# Altium PCB K210_Board.PcbDoc (part 1 of 2) (continued)
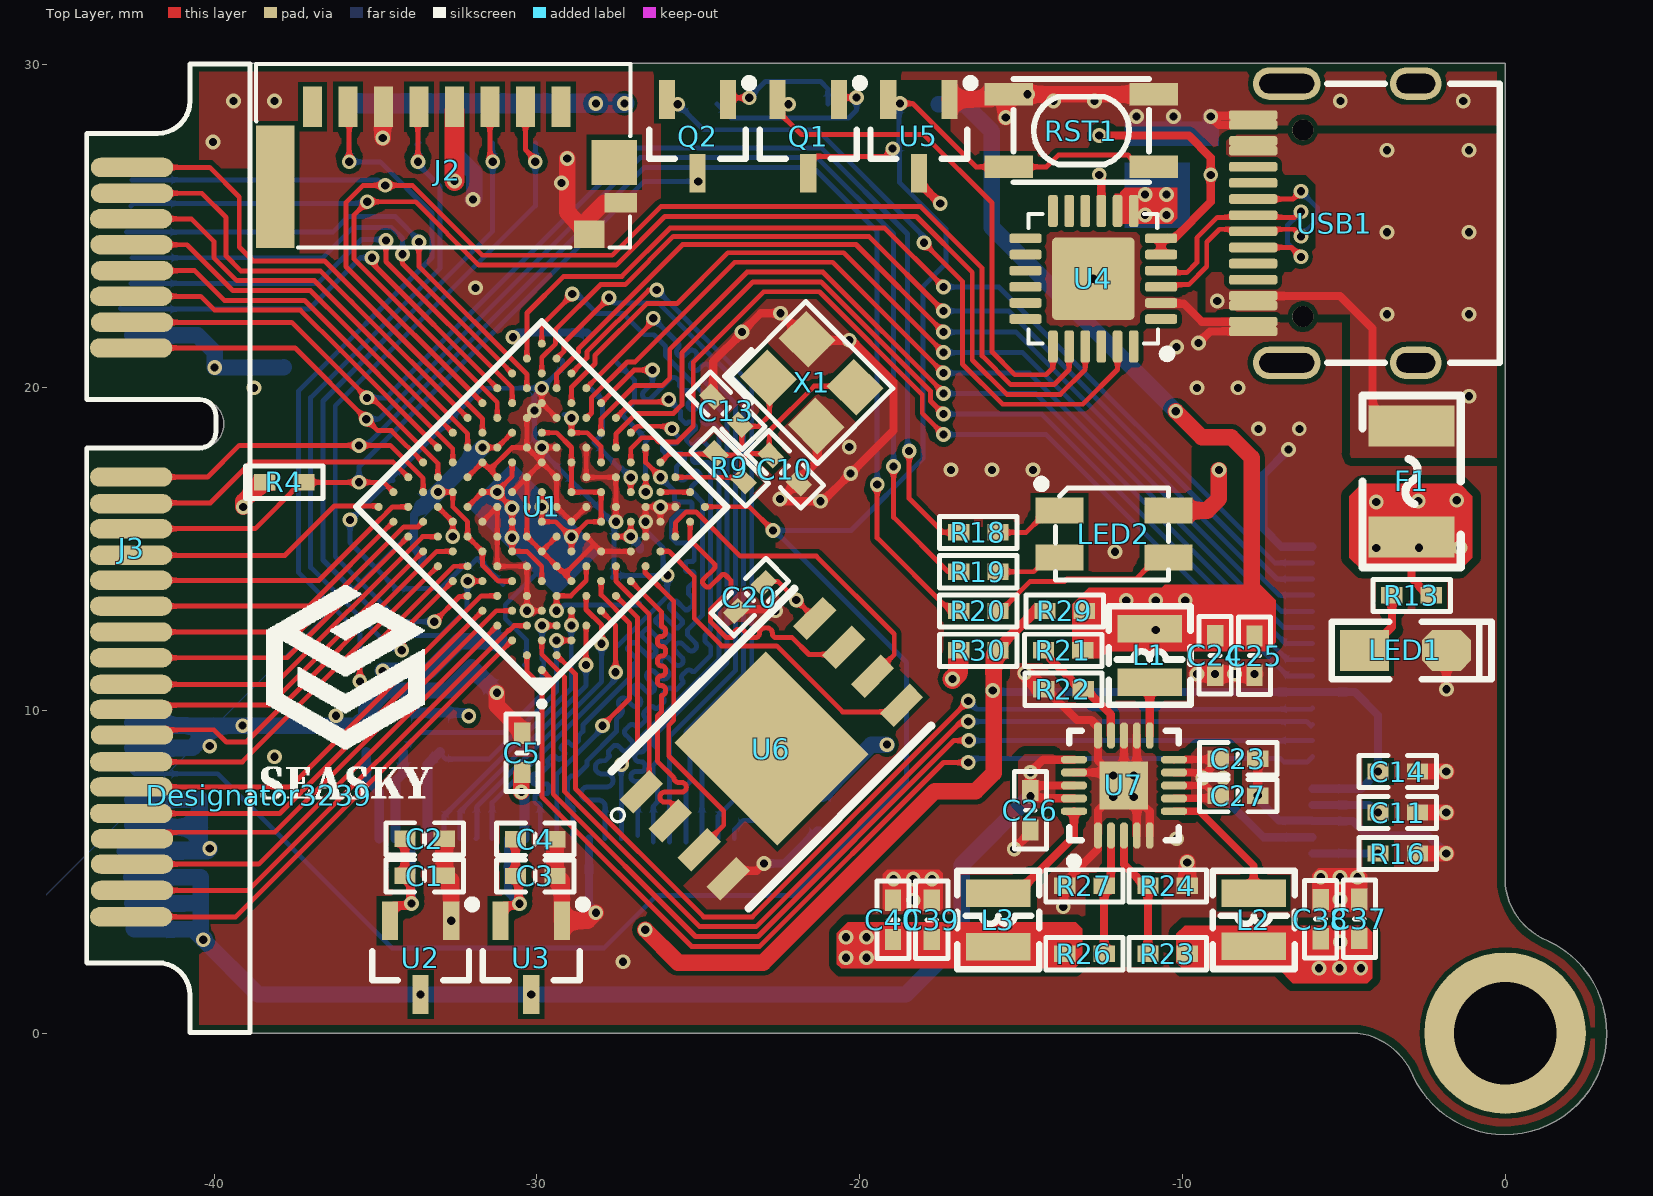
[diagram p0: Top Layer view]
## Footprints (in the part's own frame and the unit in brackets; to place one, negate y for a bottom-side part, rotate by r counter-clockwise, add the part's x,y. Pads: shape width x height; smd on the part's side, far side on the other; paste and mask are expansions set on the pad) (continued)
MINIPCIE [mm]
  oval 0.6x2.55 smd: 1(0,0) 3(0.8,0) 5(1.593,-0.029) 7(2.395,-0.021) 9(3.2,0) 11(3.993,-0.029) 13(4.8,0) 15(5.593,-0.029) 17(9.593,-0.029) 19(10.418,-0.029) 21(11.193,-0.029) 23(12.018,-0.029) 25(12.793,-0.029) 27(13.593,-0.029) 29(14.393,-0.029) 31(15.193,-0.029) 33(16.018,-0.029) 35(16.793,-0.029) 37(17.586,0) 39(18.418,-0.029) 41(19.193,-0.029) 43(20.018,-0.029) 45(20.8,0) 47(21.586,0) 49(22.4,0) 51(23.218,-0.029)
  oval 0.6x2.55 smd far side: 2(0.386,0) 4(1.193,-0.029) 6(1.993,-0.029) 8(2.8,0) 10(3.593,-0.029) 12(4.393,-0.029) 14(5.2,0) 16(5.993,-0.029) 18(10.015,0) 20(10.793,-0.029) 22(11.586,0) 24(12.386,0) 26(13.186,0) 28(13.993,-0.029) 30(14.793,-0.029) 32(15.603,0.013) 34(16.4,0) 36(17.2,0) 38(17.986,0) 40(18.786,0) 42(19.586,0) 44(20.386,0) 46(21.191,-0.038) 48(21.993,-0.029) 50(22.8,0) 52(23.586,0)
  silkscreen extent -3.21,-1.4 26.8,3.65
NR2520 [mm] "2.5mm*2.0mm*1.0mm(长*宽*高）"
  rect 0.85x2 smd: 1(-0.825,0) 2(0.825,0)
  silkscreen extent -1.52,-1.27 1.52,1.27, body extent -1.25,-1 1.25,1, height 1.1
"OSC 3225-4P" [mm] "3.2*2.5*0.7mm(长宽高)                         淘宝ID:黄晶宝石"
  rect 1.3x1.2 smd: 1(-1.05,-0.85) 2(1.05,-0.85) 3(1.05,0.85) 4(-1.05,0.85)
  silkscreen extent -2.03,-1.75 1.9,1.65, body extent -1.6,-1.25 1.6,1.25, height 0.7
QFN20_40P300X300X80_HS-21N [mm] "QFN, 20-Leads, Body 3.00x3.00mm, Pitch 0.40mm, Thermal Pad 1.65x1.65mm, IPC Medium Density"
  oct 0.8x0.24 smd: 1(-1.55,0.8) 2(-1.55,0.4) 3(-1.55,0) 4(-1.55,-0.4) 5(-1.55,-0.8) 11(1.55,-0.8) 12(1.55,-0.4) 13(1.55,0) 14(1.55,0.4) 15(1.55,0.8)
  oct 0.24x0.8 smd: 6(-0.8,-1.55) 7(-0.4,-1.55) 8(0,-1.55) 9(0.4,-1.55) 10(0.8,-1.55) 16(0.8,1.55) 17(0.4,1.55) 18(0,1.55) 19(-0.4,1.55) 20(-0.8,1.55)
  rect 1.5x1.5 smd: 21(0,0)
  silkscreen extent -2.47,-1.7 1.7,1.7, body extent -1.56,-1.56 1.56,1.56, height 0.8
QFN-24_L4.0-W4.0-P0.50-BL-EP2.8 [mm]
  rrect50% 0.3x1 smd: 1(-1.25,-2.1) 2(-0.75,-2.1) 3(-0.25,-2.1) 4(0.25,-2.1) 5(0.75,-2.1) 6(1.25,-2.1) 13(1.25,2.1) 14(0.75,2.1) 15(0.25,2.1) 16(-0.25,2.1) 17(-0.75,2.1) 18(-1.25,2.1)
  rrect50% 1x0.3 smd: 7(2.1,-1.25) 8(2.1,-0.75) 9(2.1,-0.25) 10(2.1,0.25) 11(2.1,0.75) 12(2.1,1.25) 19(-2.1,1.25) 20(-2.1,0.75) 21(-2.1,0.25) 22(-2.1,-0.25) 23(-2.1,-0.75) 24(-2.1,-1.25)
  rrect10% 2.55x2.55 smd: 25(0,0)
  silkscreen extent -2.58,-2.54 2.01,2.01, body extent -2,-2 2,2, height 0.9
"R 0402_M" [mil] "1/16W贴片电阻       淘宝ID:黄晶宝石"
  rect 26x20 smd: 1(-24,0) 2(24,0)
  silkscreen extent -47,-20 47,20, body extent -20,-10 20,10, height 12
SEASKY3 [mm]
  silkscreen extent 0.05,-0.1 5.36,6.5
SMD-3.2*4.2 [mm]
  rect 1.5x0.7 smd: 1(-2.25,1.125) 1(2.25,1.125) 2(-2.25,-1.125) 2(2.25,-1.125)
  silkscreen extent -2.1,-1.6 2.1,1.6, body extent -2.73,-1.6 2.47,1.58, height 1.8
SOT23-3N [mm] "3x1.3x1mm(长宽高)    封装库来自淘宝卖家 ID：黄晶宝石"
  rect 0.5x1.2 smd: 1(-0.95,-1.143) 2(0.95,-1.143) 3(0,1.143)
  silkscreen extent -1.73,-1.78 1.5,0.7, body extent -1.5,-1.2 1.5,1.2, height 1.05
"TF-SOCKET - SHORT" [mm]
  rect 1.25x0.6 smd: 1(-1.975,3.5) 2(-1.975,2.4) 3(-1.975,1.3) 4(-1.975,0.2) 5(-1.975,-0.9) 6(-1.975,-2) 7(-1.975,-3.1) 8(-1.975,-4.2)
  rect 0.85x0.95 smd: 9(1.975,4.375)
  rect 0.6x1 smd: 10(1,5.35)
  rect 3.8x1.2 smd: G1(0.51,-5.35)
  rect 1.4x1.4 smd: G2(-0.25,5.15)
  silkscreen extent -3.3,-5.95 2.39,5.65, body extent -3.16,-5.82 2.29,5.58, height 2.27
TYPE-C-TOP [mm]
  round 0.65 hole 0.65: 0(-0.98,-2.89) 0(-0.98,2.89)
  oval 1.6x1 hole 0.6 slot 1.2 at 0 deg: 1(2.52,4.325) 2(2.52,-4.325)
  oval 2.1x1 hole 0.6 slot 1.7 at 0 deg: 3(-1.48,-4.325) 4(-1.48,4.325)
  rrect50% 1.5x0.3 smd: A1(-2.52,-3.35) A4(-2.52,-2.55) A5(-2.52,-1.25) A6(-2.52,-0.25) A7(-2.52,0.25) A8(-2.52,1.25) A9(-2.52,2.55) A12(-2.52,3.35) B1(-2.52,3.05) B4(-2.52,2.25) B5(-2.52,1.75) B6(-2.52,0.75) B7(-2.52,-0.75) B8(-2.52,-1.75) B9(-2.52,-2.25) B12(-2.52,-3.05)
  silkscreen extent -0.22,-4.33 5.12,4.33, body extent -2.64,-4.48 5.26,4.46, height 3.28
WSON-8_L8.0-W6.10-P1.27-BL-EP [mm]
  rect 0.6x1.3 smd: 1(-1.905,-3.8) 2(-0.635,-3.8) 3(0.635,-3.8) 4(1.905,-3.8) 5(1.905,3.8) 6(0.635,3.8) 7(-0.635,3.8) 8(-1.905,3.8)
  rect 4.5x4 smd: 9(0,0)
  silkscreen extent -3,-5.03 3,4, body extent -3,-4.04 3,3.96, height 0.81

## Part data
C1 C2 C3 C4 C5 C6 C7 C8 C9 C10 C11 C12 C13 C14 C15 C16 C17 C18 C19 C20 C21 C22 C23 C24 C25 C26 C27 C28 C29 C30 C31 C32 C33 C34 C35 C36 C37 C38 C39 C40 C41 C42: library part C, "贴片电容"
F1: library part FU, "贴片保险丝"
J1: library part OV5640, "Header, 24-Pin"
J2: "TF卡座"
J3: "mini-PCI-E"
L1 L2 L3: library part L-NR, "NR磁胶电感"
LED1: library part LED-SMD, "贴片LED"
LED2: library part "LED-RGB 3528", "3528三基色LED"
Q1 Q2: library part 8050-SMD, "高频放大-NPN型"
R1 R2 R3 R4 R5 R6 R7 R8 R9 R10 R11 R12 R13 R14 R15 R16 R17 R18 R19 R20 R21 R22 R23 R24 R25 R26 R27 R28 R29 R30: library part R, "贴片电阻"
RST1: library part KEY_M
U1: "Canaan Kendryte K210 AI SoC"
U2 U3: "SOT-23,XC6206P332MR,MAX8V,100mA"
U6: "WSON-8"
X1: library part XTAL-4P, "4脚无源晶振"

## Free pads (board coordinates)
  round 5 hole 3.175: ""(0,0)

## Via types
v1: diameter 0.457, hole 0.254, Top Layer to Bottom Layer, tented both sides, 220 vias

## Nets (pads, with @x,y where several pads share a name; then routed paths per layer and width w, separated by ;. In a path a pad name is that pad's centre, name@x,y a point inside that pad or via, vN(x,y) a via of type N, cw(c..) or ccw(c..) an arc to the next point about the centre after c; other vN are vias at no path point)
0V9: C28.1 C29.1 C30.1 C31.1 C32.1 C33.1 C34.1 C35.1 C36.1 C39.2 C40.2 L3.2 R25.2 R26.2 U1.D4 U1.D6 U1.D9 U1.E7 U1.E9 U1.F4 U1.F6 U1.G7 U1.G9 U1.H4 U1.H6 U1.J5 U1.J7 U1.J9 | length 38.8
  Top Layer w0.152: U1.D9@-32.146,16.302 U1.E9@-31.686,16.762 v1@-31.258,16.762 ; U1.G9@-30.767,17.681 -30.767,17.253 v1@-31.258,16.762 ; U1.D4@-29.847,14.004 -29.832,14.02 -29.847,14.035 -29.847,14.463 -30.307,14.923 U1.D6@-30.767,14.923 v1(-30.767,15.347) U1.E7@-30.767,15.842 v1(-30.767,16.271) v1@-31.258,16.762 ; v1(-29.847,16.302) U1.G7@-29.847,16.762 U1.F6@-29.847,15.842 -29.419,15.842 v1@-28.928,15.351 ; U1.J9@-29.847,18.6 -29.387,18.6 -28.928,18.141 U1.J7@-28.928,17.681 U1.H6@-28.928,16.762 U1.J5@-28.009,16.762 U1.H4@-28.009,15.842 -28.437,15.842 -28.9,15.38 v1(-28.931,15.38) -28.928,15.377 v1@-28.928,15.351 ; U1.F4@-28.928,14.923 v1@-28.928,15.351
  Top Layer w0.254: v1@-19.592,2.972 -19.042,2.972 C40.2@-18.967,2.896 C39.2@-17.765,2.896 -15.916,2.896 -15.701,2.681 -15.476,2.457 R26.2@-13.643,2.457
  Bottom Layer w0.152: C36.1@-30.377,11.405 -30.323,11.459 -30.323,12.186 -30.978,12.842 -30.978,13.266 -30.029,14.215 -29.635,14.215 ; C29.1@-29.248,15.703 C31.1@-30.185,14.766 ; C32.1@-30.983,15.564 C35.1@-30.046,16.501 ; C32.1@-30.983,15.564 v1(-30.767,15.347) C31.1@-30.185,14.766 ; C32.1@-30.983,15.564 C28.1@-31.781,16.362 C34.1@-30.844,17.298 C35.1@-30.046,16.501 ; C31.1@-30.185,14.766 -29.635,14.215 ; C35.1@-30.046,16.501 v1(-29.847,16.302) C29.1@-29.248,15.703 C33.1@-28.451,14.905 C30.1@-29.388,13.968 -29.635,14.215
  Bottom Layer w0.254: v1(-30.738,21.56) -30.593,21.705 -28.447,21.705 R25.2@-28.393,21.651
  other v1: -20.425,2.332 -19.79,2.332 -20.425,2.967 -19.79,2.967 -31.226,16.762
1V8: C20.2 C21.1 C22.1 C24.2 C25.2 L1.2 R8.2 R21.2 R29.2 U1.H3 U1.J3 U1.K6 U1.K8 U6.8 | length 29.1
  Top Layer w0.152: v1(-28.928,19.06) U1.K8@-28.928,18.6 -28.438,18.6 -28.009,18.171 U1.K6@-28.009,17.681 ; U1.H3@-27.549,15.383 v1(-27.089,15.383) ; U1.J3@-27.09,15.842 v1(-27.089,15.383) ; v1@-27.054,15.418 v1(-27.089,15.383) ; C20.2@-22.966,13.939 -22.912,13.993 -22.536,13.993 U6.8@-21.392,12.849
  Top Layer w0.508: R21.2@-13.085,11.857 -13.04,11.857 R29.2@-13.04,13.077 ; v1(-10.208,19.266) -9.403,18.461 -8.487,18.461 -7.852,17.826 -7.852,13.52 -8.986,12.386 C24.2@-8.986,12.31
  Bottom Layer w0.152: C21.1@-29.159,19.16 -29.029,19.16 v1(-28.928,19.06)
  Bottom Layer w0.254: v1(-27.089,15.383) -26.802,15.095 C22.1@-26.802,14.981
  Bottom Layer w0.508: R8.2@-17.555,28.78 -16.747,28.78 -15.9,27.933 -15.9,24.958 v1(-10.208,19.266)
  other v1: -10.824,12.492 -21.964,13.421 -11.738,13.406 -10.824,13.406 -9.91,13.406
3V3: C11.1 C12.1 C15.2 C16.2 C17.2 C18.2 C37.2 C38.2 J2.4 L2.2 LED2.4 P1.4 R2.2 R4.2 R12.1 R14.1 R15.1 R17.1 R23.2 R30.1 U1.C5 U1.C7 U1.C8 U1.D10 U1.G10 U1.H10 U5.3 | length 45.9
  Top Layer w0.152: v1(-33.065,16.762) U1.D10@-32.605,16.762 -32.605,16.302 -32.146,15.842 U1.C8@-32.146,15.383 ; U1.C8@-32.14,15.383 -32.14,15.377 U1.C7@-31.686,14.923 ; U1.C7@-31.686,14.923 -31.686,14.495 -31.195,14.004 U1.C5@-30.767,14.004 ; v1(-31.686,18.14) U1.G10@-31.226,18.14 U1.H10@-30.767,18.6
  Top Layer w0.254: U5.3@-18.165,26.64 -18.165,26.36 v1(-17.504,25.7) ; R23.2@-9.848,2.46 -8.015,2.46 L2.2@-7.791,2.684 -5.88,2.684 C38.2@-5.742,2.822 ; C38.2@-5.791,2.845 -5.787,2.849 C38.2@-5.742,2.849 ; v1(-5.766,2.007) -5.742,2.03 C38.2@-5.742,2.822 ; C38.2@-5.74,2.87 -5.742,2.868 C38.2@-5.742,2.849 ; v1(-5.131,2.007) -5.118,2.019 -5.118,2.756 v1@-5.08,2.794 ; C37.2@-4.521,2.819 -4.55,2.849 -5.076,2.849 v1(-5.105,2.819) -5.135,2.849 C38.2@-5.719,2.849 ; C37.2@-4.517,2.928 -4.52,2.925 -5.716,2.925 C38.2@-5.719,2.922 C38.2@-5.719,2.849 ; v1(-4.47,2.007) -4.494,2.03 -4.494,2.796 C37.2@-4.42,2.87 ; C38.2@-5.742,2.822 C38.2@-5.742,2.849 ; C38.2@-5.742,2.822 -5.719,2.846 C38.2@-5.719,2.849 ; C38.2@-5.742,2.849 C38.2@-5.719,2.849
  Top Layer w0.508: v1(-39.094,16.302) -39.094,16.48 -38.51,17.064 R4.2@-38.434,17.064 ; LED2.4@-10.43,16.189 -9.235,16.189 -8.868,16.556 v1(-8.868,17.445)
  Top Layer w0.61: v1(-32.553,26.398) J2.4@-32.553,28.575 ; v1(-17.123,10.968) -16.955,11.136 -16.955,11.832 R30.1@-16.929,11.857
  Bottom Layer w0.152: C18.2@-31.164,12.192 C18.2@-31.11,12.246
  Bottom Layer w0.254: C16.2@-33.648,16.315 C16.2@-33.553,16.315 ; C15.2@-33.552,14.58 -33.541,14.592 -33.541,14.771 -33.804,15.035 -33.804,16.063 C16.2@-33.553,16.315 ; v1(-33.065,16.762) -33.106,16.762 C16.2@-33.553,16.315 ; C17.2@-31.87,18.093 -31.822,18.14 v1(-31.686,18.14) ; P1.4@-5.968,7.067 -4.212,7.067 -3.978,6.833 v1(-3.937,6.833)
  Bottom Layer w0.508: v1(-34.776,11.222) -33.328,11.222 -32.412,12.138 -31.218,12.138 C18.2@-31.164,12.192 ; C16.2@-33.553,16.315 -33.512,16.315 v1(-31.686,18.14) ; R2.2@-21.234,7.417 -21.158,7.417 -19.639,8.936 v1(-19.155,8.936)
  Bottom Layer w0.61: R17.1@-35.814,28.804 R15.1@-33.655,28.804 C12.1@-32.512,28.804 R14.1@-31.369,28.804 R12.1@-30.048,28.804 v1(-28.172,28.804) v1(-27.283,28.804)
AGND: J1.2 R7.2 | length 2.9
  Bottom Layer w0.305: R7.2@-35.284,8.707 -35.284,7.874 -34.884,7.474 J1.2@-34.884,6.02
AVDD_2V8: C1.2 C2.2 J1.4 U2.2 | length 5.2
  Top Layer w0.254: U2.2@-34.554,3.48 -34.554,3.83 -34.431,3.953 -33.984,3.953 -33.924,4.013 v1@-33.886,4.013 ; C1.2@-34.112,4.877 C1.2@-34.088,4.877 ; C1.2@-34.088,4.872 C1.2@-34.088,4.877 ; C2.2@-34.087,5.994 -34.088,5.993 C1.2@-34.088,4.877 ; v1(-33.884,4.012) v1@-33.886,4.013 ; v1@-33.884,4.013 v1@-33.886,4.013 ; C1.2@-34.088,4.877 -34.045,4.877 -33.913,4.745 -33.913,4.041 v1@-33.886,4.013
  Bottom Layer w0.254: v1(-33.884,4.012) J1.4@-33.884,6.02
BOOT: J3.21 Q2.3 R4.1 U1.B12 | length 23.5
  Top Layer w0.152: J3.21@-42.57,15.627 -38.728,15.627 -37.291,17.064 R4.1@-37.215,17.064 v1(-35.513,17.064) -34.746,17.064 U1.B12@-34.444,16.762
  Bottom Layer w0.152: v1(-35.513,17.064) -35.509,17.068 -35.509,17.551 -26.675,26.386 v1(-24.997,26.386)
DTR: Q2.2 R10.1 U4.23 | length 20.6
  Top Layer w0.152: Q2.2@-25.973,28.926 -25.826,28.78 v1(-25.632,28.78) ; v1(-18.009,24.486) -16.815,23.292 -16.815,20.729 -15.568,19.482 -13.086,19.482 -12.01,20.557 U4.23@-12.01,21.271
  Bottom Layer w0.152: v1(-25.632,28.78) -24.839,27.986 -21.315,27.986 -18.009,24.679 v1(-18.009,24.486)
DVDD_1V3: C3.2 C4.2 J1.10 U3.2 | length 5.4
  Top Layer w0.254: U3.2@-31.125,3.48 -31.125,3.83 -31.002,3.953 -30.515,3.953 v1@-30.455,4.013 ; C3.2@-30.659,4.867 -30.659,5.968 C4.2@-30.582,6.045 ; C3.2@-30.658,4.851 -30.564,4.757 -30.564,4.038 v1(-30.534,4.008)
  Bottom Layer w0.254: J1.10@-30.884,6.02 -30.884,4.358 v1(-30.534,4.008)
DVP_D0: J1.19 U1.M12 | length 22.8
  Top Layer w0.152: U1.M12@-29.847,21.358 -29.847,21.93 -28.905,22.873 v1(-28.905,22.898)
  Bottom Layer w0.152: v1(-28.905,22.898) -28.749,22.898 -28.147,22.296 -27.334,22.296 -26.674,21.636 -26.369,21.636 -26.013,21.28 -26.013,20.988 -24.105,19.079 -24.105,11.48 -26.394,9.19 -26.394,8.936 -26.267,8.809 -26.267,8.428 -26.394,8.301 -26.394,7.793 -26.267,7.666 -26.267,7.158 -26.394,7.031 J1.19@-26.394,5.918
DVP_D1: J1.21 U1.M11 | length 22.8
  Top Layer w0.152: U1.M11@-29.388,20.898 -29.164,21.122 -29.164,21.381 v1(-27.766,22.779)
  Bottom Layer w0.152: v1(-27.766,22.779) -27.6,22.613 -26.229,22.613 -23.597,19.981 -23.597,11.12 -25.384,9.333 -25.384,8.815 -25.251,8.682 -25.251,7.793 -25.378,7.666 J1.21@-25.378,5.918
DVP_D2: J1.22 U1.M10 | length 22.8
  Top Layer w0.152: U1.M10@-28.928,20.439 -28.452,20.915 -28.452,21.103 -26.535,23.02 v1(-26.285,23.02)
  Bottom Layer w0.152: v1(-26.285,23.02) -26.276,23.02 -23.343,20.087 -23.343,11.015 -24.884,9.474 J1.22@-24.884,6.02 J1.22@-24.884,5.893
DVP_D3: J1.20 U1.M9 | length 22.7
  Top Layer w0.152: U1.M9@-28.469,19.979 -26.394,22.053 v1(-26.394,22.144)
  Bottom Layer w0.152: v1(-26.394,22.144) -25.629,21.378 cw(c-25.709,21.297) -25.629,21.216 ccw(c-25.521,21.109) -25.629,21.001 ccw(c-25.521,21.109) -25.413,21.001 -25.302,21.112 cw(c-25.194,21.004) -25.086,21.112 cw(c-25.194,21.004) -25.086,20.896 ; J1.20@-25.884,5.918 J1.20@-25.884,6.02 -25.884,9.197 -23.854,11.227 ; -25.158,20.825 -25.197,20.785 ccw(c-25.09,20.678) -25.197,20.57 ccw(c-25.09,20.678) -24.982,20.57 -24.871,20.681 cw(c-24.763,20.573) -24.655,20.681 cw(c-24.763,20.573) -24.655,20.465 -24.766,20.354 ccw(c-24.659,20.247) -24.766,20.139 ccw(c-24.659,20.247) -24.551,20.139 cw(c-24.47,20.058) -24.389,20.139 ; -24.431,20.097 -23.851,19.517 -23.851,11.23 -23.854,11.227 ; -23.854,11.222 -23.854,11.227
DVP_D4: J1.18 U1.M8 | length 22.5
  Top Layer w0.152: U1.M8@-28.009,19.519 -26.985,20.544 v1(-26.42,20.544)
  Bottom Layer w0.152: -26.978,7.187 cw(c-26.978,7.339) -27.131,7.339 cw(c-26.978,7.339) -26.978,7.492 -26.775,7.492 ccw(c-26.775,7.619) -26.648,7.619 -26.648,7.67 ccw(c-26.775,7.67) -26.775,7.797 -26.939,7.797 cw(c-26.939,7.949) -27.091,7.949 cw(c-26.939,7.949) -26.939,8.101 -26.775,8.101 ccw(c-26.775,8.228) -26.648,8.228 -26.648,8.279 ccw(c-26.775,8.279) -26.775,8.406 -26.816,8.406 cw(c-26.816,8.559) -26.969,8.559 cw(c-26.816,8.559) -26.816,8.711 -26.775,8.711 ccw(c-26.775,8.838) -26.648,8.838 -26.648,8.889 ccw(c-26.775,8.889) -26.775,9.016 -26.775,9.168 -24.359,11.585 -24.359,18.711 -24.567,18.92 ccw(c-24.597,18.889) -24.627,18.92 cw(c-24.735,19.027) -24.843,18.92 cw(c-24.735,19.027) -24.843,19.135 -24.79,19.188 ccw(c-24.898,19.295) -24.79,19.403 ccw(c-24.898,19.295) -25.006,19.403 -25.058,19.351 cw(c-25.166,19.458) -25.274,19.351 cw(c-25.166,19.458) -25.274,19.566 -25.221,19.619 ccw(c-25.329,19.726) -25.221,19.834 ; -26.975,7.188 -26.873,7.087 J1.18@-26.873,6.121 ; -26.68,19.884 ccw(c-26.572,19.777) -26.68,19.669 ccw(c-26.572,19.777) -26.464,19.669 -25.868,20.265 cw(c-25.76,20.157) -25.652,20.265 ; -26.67,19.888 -26.416,20.142 v1@-26.416,20.523 ; v1@-26.446,20.517 v1(-26.42,20.544) ; v1@-26.416,20.549 v1@-26.416,20.523 ; v1@-26.386,20.523 v1@-26.416,20.523 ; -25.629,20.244 -25.578,20.193 -25.578,20.041 -25.451,19.914 -25.301,19.914 -25.249,19.862
DVP_D5: J1.16 U1.M7 | length 22.9
  Top Layer w0.152: U1.M7@-27.549,19.06 -27.056,19.553 -25.988,19.553 v1(-25.912,19.629)
  Bottom Layer w0.152: J1.16@-27.884,6.02 -27.884,7.014 ccw(c-28.087,7.014) -28.087,7.218 -28.427,7.218 cw(c-28.427,7.421) -28.63,7.421 cw(c-28.427,7.421) -28.427,7.624 -27.842,7.624 ccw(c-27.842,7.827) -27.639,7.827 ccw(c-27.842,7.827) -27.842,8.03 -27.986,8.03 cw(c-27.986,8.234) -28.189,8.234 cw(c-27.986,8.234) -27.986,8.437 -27.884,8.437 -27.754,8.567 ccw(c-27.767,8.581) -27.754,8.594 cw(c-27.668,8.68) -27.754,8.766 ; -27.754,8.767 -27.639,8.881 cw(c-27.553,8.795) -27.467,8.882 -27.354,8.768 ccw(c-27.267,8.855) -27.181,8.768 ; -27.248,9.237 -27.066,9.056 ; -27.248,9.237 cw(c-27.161,9.323) -27.248,9.409 -27.133,9.525 cw(c-27.046,9.438) -26.96,9.525 ccw(c-26.878,9.607) -26.796,9.525 -26.655,9.666 ccw(c-26.72,9.73) -26.655,9.794 cw(c-26.569,9.881) -26.655,9.967 ; -27.181,8.768 -27.066,8.883 ccw(c-27.152,8.97) -27.066,9.056 ; -26.655,9.967 -26.54,10.082 cw(c-26.454,9.996) -26.368,10.082 ccw(c-26.303,10.146) -26.239,10.082 -26.08,10.24 ccw(c-26.145,10.305) -26.08,10.369 cw(c-25.994,10.455) -26.081,10.541 -25.966,10.656 cw(c-25.879,10.57) -25.793,10.656 ccw(c-25.729,10.721) -25.664,10.656 -25.487,10.834 ccw(c-25.532,10.879) -25.487,10.925 cw(c-25.401,11.011) -25.487,11.097 -25.372,11.212 cw(c-25.286,11.126) -25.199,11.212 ccw(c-25.154,11.258) -25.109,11.212 ; v1(-25.912,19.629) -25.556,19.274 -25.556,19.045 -25.42,18.909 ccw(c-25.371,18.959) -25.321,18.909 cw(c-25.256,18.845) -25.192,18.909 -25.105,18.823 cw(c-25.17,18.758) -25.105,18.694 -25.337,18.462 ccw(c-25.272,18.398) -25.337,18.333 -25.251,18.247 ccw(c-25.186,18.311) -25.121,18.247 -25.004,18.364 cw(c-24.94,18.299) -24.875,18.364 -24.616,18.105 -24.616,18.07 cw(c-24.708,18.07) -24.708,17.978 -25.083,17.978 ccw(c-25.083,17.887) -25.174,17.887 -25.174,17.765 ccw(c-25.083,17.765) -25.083,17.674 -24.708,17.674 cw(c-24.708,17.582) -24.616,17.582 ; v1@-25.886,19.655 v1@-25.88,19.649 ; -25.109,11.212 -24.613,11.708 -24.613,11.963 -24.79,12.141 -24.79,12.319 -24.613,12.497 -24.616,12.5 -24.616,17.572
DVP_D6: J1.14 U1.M6 | length 22.7
  Top Layer w0.152: U1.M6@-27.09,18.6 -26.889,18.801 -25.896,18.801 v1(-25.815,18.72)
  Bottom Layer w0.152: J1.14@-28.909,6.142 J1.14@-28.884,6.167 ; J1.14@-28.884,6.02 J1.14@-28.884,6.167 ; -27.212,10.333 ccw(c-27.32,10.225) -27.428,10.333 ccw(c-27.32,10.225) -27.428,10.117 -27.393,10.083 cw(c-27.501,9.975) -27.393,9.867 -27.537,9.723 -27.537,9.342 -28.443,8.437 -28.443,8.306 -28.789,7.96 -28.947,7.96 -29.051,7.856 -29.051,7.152 -28.884,6.986 J1.14@-28.884,6.167 ; -27.203,10.322 -27.039,10.158 ccw(c-26.931,10.266) -26.823,10.158 ccw(c-26.931,10.266) -26.823,10.373 -26.987,10.537 ; -26.987,10.538 cw(c-26.879,10.646) -26.987,10.753 cw(c-26.879,10.646) -26.771,10.753 -26.607,10.59 ccw(c-26.499,10.697) -26.392,10.59 ccw(c-26.499,10.697) -26.392,10.805 -26.555,10.969 cw(c-26.448,11.077) -26.555,11.184 cw(c-26.448,11.077) -26.34,11.184 -26.169,11.014 ccw(c-26.062,11.122) -25.954,11.014 ccw(c-26.062,11.122) -25.954,11.229 -26.124,11.4 cw(c-26.017,11.508) -26.124,11.616 cw(c-26.017,11.508) -25.909,11.616 -25.726,11.433 ccw(c-25.618,11.54) -25.511,11.433 ccw(c-25.618,11.54) -25.511,11.648 -25.693,11.831 cw(c-25.586,11.939) -25.693,12.047 cw(c-25.586,11.939) -25.478,12.047 -25.314,11.883 ccw(c-25.206,11.99) -25.098,11.883 ccw(c-25.206,11.99) -25.098,12.098 ; v1(-25.815,18.72) -25.815,18.628 ccw(c-25.755,18.628) -25.755,18.568 cw(c-25.755,18.43) -25.618,18.43 -25.618,18.4 cw(c-25.755,18.4) -25.755,18.263 -26.014,18.263 -26.104,18.174 -26.104,18.047 -26.014,17.958 -25.565,17.958 cw(c-25.565,17.821) -25.428,17.821 -25.428,17.79 cw(c-25.565,17.79) -25.565,17.653 -25.678,17.541 -25.678,17.262 -25.589,17.173 ccw(c-25.492,17.27) -25.395,17.173 -25.188,17.379 cw(c-25.091,17.282) -24.994,17.379 -24.973,17.358 cw(c-25.07,17.261) -24.973,17.164 -25.179,16.957 ccw(c-25.082,16.86) -25.179,16.763 -24.87,16.454 -24.87,12.949 -25.327,12.492 -25.327,12.329 -25.104,12.105
DVP_D7: J1.12 U1.M5 | length 26.5
  Top Layer w0.152: U1.M5@-26.63,18.14 -26.63,17.683 v1@-26.173,17.226
  Bottom Layer w0.152: J1.12@-29.884,6.02 -29.896,6.032 -29.896,7.036 ccw(c-29.972,7.036) -29.959,7.111 ; -29.547,8.572 -29.655,8.465 ; -29.262,8.502 cw(c-29.316,8.556) -29.369,8.502 ; -29.009,9.003 -28.938,8.933 ; -28.831,8.933 -28.938,8.933 ; -26.921,11.509 -27.026,11.405 -27.026,11.094 -28.575,9.545 -28.575,9.347 -28.723,9.199 ; -26.921,11.617 -27.166,11.862 ; -26.736,12.401 ccw(c-26.681,12.347) -26.735,12.294 ; -26.735,12.401 -26.735,12.294 ; -26.735,12.401 -26.628,12.509 ; -26.54,11.667 -26.951,12.078 ; -26.432,11.667 -26.324,11.775 ; v1(-26.173,17.224) -26.173,17.221 -25.73,16.778 -25.73,16.535 ; -25.873,13.263 -25.765,13.371 ; -25.658,13.371 -25.412,13.126 ; -30.138,7.798 ccw(c-30.062,7.798) -30.137,7.785 ; -30.138,7.798 -30.138,7.95 ; -30.138,7.798 -30.137,7.785 ; -30.138,7.95 cw(c-30.062,7.95) -30.137,7.963 ; -30.138,7.95 -30.137,7.963 ; -30.137,7.785 ccw(c-30.062,7.798) -30.111,7.739 ; -30.137,7.963 cw(c-30.062,7.95) -30.111,8.009 ; -30.111,7.739 ccw(c-30.062,7.798) -30.1,7.732 ; -30.111,7.739 -30.1,7.732 ; -30.111,8.009 cw(c-30.062,7.95) -30.1,8.016 ; -30.111,8.009 -30.1,8.016 ; -30.1,7.732 ccw(c-30.062,7.798) -30.088,7.726 ; -30.1,7.732 -30.088,7.726 ; -30.1,8.016 cw(c-30.062,7.95) -30.088,8.022 ; -30.1,8.016 -30.088,8.022 ; -30.088,7.726 ccw(c-30.062,7.798) -30.075,7.723 ; -30.088,7.726 -30.075,7.723 ; -30.088,8.022 cw(c-30.062,7.95) -30.075,8.025 ; -30.088,8.022 -30.075,8.025 ; -30.075,7.723 ccw(c-30.062,7.798) -30.062,7.722 ; -30.075,7.723 -30.062,7.722 ; -30.075,8.025 cw(c-30.062,7.95) -30.062,8.026 ; -30.075,8.025 -30.062,8.026 ; -30.062,7.722 -29.714,7.722 ; -30.062,8.026 -29.896,8.026 -29.655,8.267 ; -30.054,7.188 ccw(c-29.978,7.188) -30.053,7.175 ; -30.054,7.188 -30.053,7.175 ; -30.054,7.188 -30.054,7.341 ; -30.054,7.341 cw(c-29.978,7.341) -30.053,7.354 ; -30.054,7.341 -30.053,7.354 ; -30.053,7.175 ccw(c-29.978,7.188) -29.978,7.112 -29.972,7.112 ; -30.053,7.354 cw(c-29.978,7.341) -30.027,7.399 ; -30.027,7.399 cw(c-29.978,7.341) -30.016,7.407 ; -30.027,7.399 -30.016,7.407 ; -30.016,7.407 cw(c-29.978,7.341) -30.004,7.412 ; -30.016,7.407 -30.004,7.412 ; -30.004,7.412 cw(c-29.978,7.341) -29.991,7.416 ; -30.004,7.412 -29.991,7.416 ; -29.991,7.416 cw(c-29.978,7.341) -29.978,7.417 ; -29.991,7.416 -29.978,7.417 ; -29.978,7.417 -29.714,7.417 ccw(c-29.714,7.493) -29.656,7.444 ; -29.972,7.112 cw(c-29.972,7.036) -29.959,7.111 ; -29.972,7.112 -29.959,7.111 ; -29.714,7.722 cw(c-29.714,7.645) -29.701,7.72 ; -29.714,7.722 -29.701,7.72 ; -29.701,7.72 cw(c-29.714,7.645) -29.656,7.694 ; -29.656,7.444 ccw(c-29.714,7.493) -29.648,7.455 ; -29.656,7.444 -29.648,7.455 ; -29.656,7.694 cw(c-29.714,7.645) -29.648,7.684 ; -29.656,7.694 -29.648,7.683 ; -29.655,8.267 ccw(c-29.7,8.312) -29.655,8.357 ; -29.655,8.267 -29.655,8.357 ; -29.655,8.357 cw(c-29.601,8.411) -29.655,8.464 ; -29.655,8.357 -29.655,8.464 ; -29.648,7.455 ccw(c-29.714,7.493) -29.643,7.467 ; -29.648,7.455 -29.643,7.467 ; -29.648,7.684 cw(c-29.714,7.645) -29.643,7.671 ; -29.648,7.683 -29.643,7.671 ; -29.643,7.467 ccw(c-29.714,7.493) -29.639,7.48 ; -29.643,7.467 -29.639,7.48 ; -29.643,7.671 cw(c-29.714,7.645) -29.639,7.659 ; -29.643,7.671 -29.639,7.659 ; -29.639,7.48 ccw(c-29.714,7.493) -29.638,7.493 ; -29.639,7.48 -29.638,7.493 ; -29.639,7.659 cw(c-29.714,7.645) -29.638,7.645 ; -29.639,7.659 -29.638,7.645 ; -29.638,7.493 -29.638,7.645 ; -29.44,8.573 ccw(c-29.493,8.519) -29.547,8.573 -29.44,8.573 ; -29.44,8.572 -29.369,8.502 ; -29.369,8.502 -29.262,8.502 -29.154,8.61 ; -29.224,8.788 cw(c-29.17,8.842) -29.224,8.895 ; -29.224,8.788 -29.154,8.718 ; -29.224,8.788 -29.224,8.895 ; -29.224,8.896 -29.116,9.004 ; -29.154,8.61 ccw(c-29.208,8.664) -29.154,8.718 ; -29.154,8.61 -29.154,8.717 ; -29.116,9.004 cw(c-29.062,8.95) -29.009,9.004 -29.116,9.004 ; -28.938,8.933 ccw(c-28.884,8.987) -28.831,8.933 -28.723,9.041 ; -28.723,9.041 ccw(c-28.777,9.095) -28.723,9.149 ; -28.723,9.041 -28.723,9.149 ; -28.723,9.149 cw(c-28.698,9.174) -28.723,9.199 ; -28.723,9.149 -28.723,9.199 ; -27.166,11.862 cw(c-27.112,11.916) -27.167,11.97 ; -27.166,11.862 -27.166,11.97 ; -27.166,11.97 -27.059,12.078 ; -27.058,12.078 cw(c-27.005,12.024) -26.951,12.078 ; -27.058,12.078 -26.951,12.078 ; -26.735,12.294 -26.324,11.883 ; -26.52,12.509 ccw(c-26.574,12.455) -26.627,12.509 -26.52,12.509 ; -26.52,12.509 -26.109,12.098 ; -26.324,11.775 ccw(c-26.378,11.829) -26.324,11.882 ; -26.324,11.775 -26.324,11.882 ; -26.304,12.725 cw(c-26.25,12.778) -26.304,12.832 ; -26.304,12.725 -26.304,12.832 ; -26.304,12.725 -25.893,12.314 ; -26.304,12.832 -26.196,12.94 ; -26.196,12.94 cw(c-26.143,12.886) -26.089,12.94 ; -26.196,12.94 -26.089,12.94 ; -26.109,12.098 ccw(c-26.055,12.152) -26.001,12.098 ; -26.109,12.098 -26.001,12.098 ; -26.089,12.94 -25.717,12.569 ; -26.001,12.098 -25.893,12.206 ; -25.893,12.206 ccw(c-25.947,12.26) -25.893,12.313 ; -25.893,12.206 -25.893,12.313 ; -25.873,13.156 cw(c-25.819,13.21) -25.873,13.263 -25.873,13.156 ; -25.873,13.156 -25.502,12.784 ; -25.73,16.535 ccw(c-25.654,16.535) -25.729,16.522 ; -25.73,16.535 -25.729,16.522 ; -25.729,16.522 ccw(c-25.654,16.535) -25.703,16.477 ; -25.717,12.569 ccw(c-25.664,12.623) -25.61,12.569 ; -25.717,12.569 -25.61,12.569 ; -25.703,16.477 ccw(c-25.654,16.535) -25.692,16.469 ; -25.703,16.477 -25.692,16.469 ; -25.692,16.469 ccw(c-25.654,16.535) -25.68,16.464 ; -25.692,16.469 -25.68,16.464 ; -25.68,16.464 ccw(c-25.654,16.535) -25.667,16.46 ; -25.68,16.464 -25.667,16.46 ; -25.667,16.46 ccw(c-25.654,16.535) -25.654,16.459 ; -25.667,16.46 -25.654,16.459 ; -25.654,16.459 -25.266,16.459 ; -25.61,12.569 -25.502,12.677 ; -25.502,12.677 ccw(c-25.556,12.731) -25.502,12.784 ; -25.502,12.677 -25.502,12.784 ; -25.4,14.376 ccw(c-25.324,14.376) -25.399,14.363 ; -25.4,14.376 -25.4,14.529 ; -25.4,14.376 -25.399,14.363 ; -25.4,14.529 cw(c-25.324,14.529) -25.399,14.542 ; -25.4,14.529 -25.399,14.542 ; -25.399,14.363 ccw(c-25.324,14.376) -25.373,14.318 ; -25.399,14.542 cw(c-25.324,14.529) -25.373,14.587 ; -25.373,14.318 ccw(c-25.324,14.376) -25.362,14.31 ; -25.373,14.318 -25.362,14.31 ; -25.373,14.587 cw(c-25.324,14.529) -25.362,14.595 ; -25.373,14.587 -25.362,14.595 ; -25.362,14.31 ccw(c-25.324,14.376) -25.35,14.305 ; -25.362,14.31 -25.35,14.305 ; -25.362,14.595 cw(c-25.324,14.529) -25.35,14.6 ; -25.362,14.595 -25.35,14.6 ; -25.35,14.305 ccw(c-25.324,14.376) -25.337,14.301 ; -25.35,14.305 -25.337,14.301 ; -25.35,14.6 cw(c-25.324,14.529) -25.337,14.604 ; -25.35,14.6 -25.337,14.604 ; -25.337,14.301 ccw(c-25.324,14.376) -25.324,14.3 ; -25.337,14.301 -25.324,14.3 ; -25.337,14.604 cw(c-25.324,14.529) -25.324,14.605 ; -25.337,14.604 -25.324,14.605 ; -25.324,14.3 -25.2,14.3 ; -25.324,14.605 -25.2,14.605 ccw(c-25.2,14.681) -25.142,14.632 ; -25.305,13.125 cw(c-25.358,13.18) -25.412,13.125 -25.305,13.125 ; -25.304,13.126 -25.157,13.273 -25.157,13.462 -25.302,13.607 -25.302,13.807 -25.124,13.985 -25.124,14.224 ; -25.266,16.459 cw(c-25.266,16.383) -25.253,16.458 ; -25.266,16.459 -25.253,16.458 ; -25.253,16.458 cw(c-25.266,16.383) -25.207,16.432 ; -25.207,16.182 ccw(c-25.266,16.231) -25.2,16.193 ; -25.207,16.182 cw(c-25.266,16.231) -25.266,16.154 -25.581,16.154 -25.823,15.912 -25.823,15.333 -25.679,15.189 -25.277,15.189 -25.124,15.037 -25.124,14.681 ; -25.207,16.182 -25.2,16.193 ; -25.207,16.432 cw(c-25.266,16.383) -25.2,16.421 ; -25.207,16.432 -25.2,16.421 ; -25.2,14.3 cw(c-25.2,14.224) -25.187,14.299 ; -25.2,14.3 -25.187,14.299 ; -25.2,16.193 ccw(c-25.266,16.231) -25.194,16.205 ; -25.2,16.193 -25.194,16.205 ; -25.2,16.421 cw(c-25.266,16.383) -25.194,16.409 ; -25.2,16.421 -25.194,16.409 ; -25.194,16.205 ccw(c-25.266,16.231) -25.191,16.217 ; -25.194,16.205 -25.191,16.217 ; -25.194,16.409 cw(c-25.266,16.383) -25.191,16.396 ; -25.194,16.409 -25.191,16.396 ; -25.191,16.217 ccw(c-25.266,16.231) -25.19,16.231 ; -25.191,16.217 -25.19,16.231 ; -25.191,16.396 cw(c-25.266,16.383) -25.19,16.383 ; -25.191,16.396 -25.19,16.383 ; -25.19,16.231 -25.19,16.383 ; -25.187,14.299 cw(c-25.2,14.224) -25.142,14.273 ; -25.142,14.273 cw(c-25.2,14.224) -25.134,14.262 ; -25.142,14.273 -25.134,14.262 ; -25.142,14.632 ccw(c-25.2,14.681) -25.134,14.643 ; -25.142,14.632 -25.134,14.643 ; -25.134,14.262 cw(c-25.2,14.224) -25.129,14.25 ; -25.134,14.262 -25.129,14.25 ; -25.134,14.643 ccw(c-25.2,14.681) -25.129,14.655 ; -25.134,14.643 -25.129,14.655 ; -25.129,14.25 cw(c-25.2,14.224) -25.125,14.237 ; -25.129,14.25 -25.125,14.237 ; -25.129,14.655 ccw(c-25.2,14.681) -25.125,14.668 ; -25.129,14.655 -25.125,14.668 ; -25.125,14.237 cw(c-25.2,14.224) -25.124,14.224 ; -25.125,14.237 -25.124,14.224 ; -25.125,14.668 ccw(c-25.2,14.681) -25.124,14.681 ; -25.125,14.668 -25.124,14.681 ; -26.921,11.51 ccw(c-26.975,11.563) -26.921,11.617 -26.921,11.51 ; -26.54,11.667 ccw(c-26.486,11.721) -26.432,11.667 -26.54,11.667 ; -25.765,13.371 cw(c-25.712,13.317) -25.658,13.371 -25.765,13.371
DVP_HREF: J1.9 U1.E1 | length 8.8
  Top Layer w0.152: U1.E1@-28.009,13.085 -27.559,12.635 v1(-27.559,11.176)
  Bottom Layer w0.152: J1.9@-31.384,6.02 -31.384,7.138 -27.559,10.963 v1(-27.559,11.176)
DVP_PCLK: J1.17 U1.F1 | length 8
  Top Layer w0.152: U1.F1@-27.549,13.544 -26.877,12.873 -26.877,8.86 -27.381,8.355 v1(-27.381,8.319)
  Bottom Layer w0.152: J1.17@-27.384,6.02 -27.381,6.024 -27.381,7.201 -27.385,7.204 -27.385,8.315 v1(-27.381,8.319)
DVP_PWDN: J1.8 U1.E2 | length 9.3
  Top Layer w0.152: U1.E2@-28.469,13.544 -28.477,13.536 -28.477,13.124 -27.994,12.642 v1(-27.994,12.06)
  Bottom Layer w0.152: J1.8@-31.884,6.02 -31.855,6.049 -31.855,7.026 -27.994,10.887 v1(-27.994,12.06)
DVP_RST: J1.6 U1.D2 | length 8.7
  Top Layer w0.152: U1.D2@-28.934,13.074 -28.937,13.076 U1.D2@-28.928,13.085 ; v1(-28.928,12.631) U1.D2@-28.928,13.085 ; U1.D2@-28.928,13.09 U1.D2@-28.928,13.085
  Bottom Layer w0.152: J1.6@-32.884,6.02 -32.871,6.033 -32.871,6.74 -28.934,10.677 -28.934,12.625 v1(-28.928,12.631)
DVP_SCL: J1.5 R3.1 U1.C1 | length 9.5
  Top Layer w0.152: v1(-29.388,12.165) -28.928,12.165 U1.C1@-28.932,12.162
  Bottom Layer w0.152: R3.1@-32.998,8.707 -32.998,8.666 -32.82,8.488 -31.488,8.488 -29.388,10.588 v1(-29.388,12.165)
  Bottom Layer w0.305: J1.5@-33.384,6.02 -33.384,8.322 R3.1@-32.998,8.707
DVP_SDA: J1.3 R5.1 U1.C2 | length 10.5
  Top Layer w0.152: v1(-29.841,12.625) U1.C2@-29.388,12.625 U1.C2@-29.382,12.625
  Bottom Layer w0.152: R5.1@-34.141,8.707 -34.141,8.784 -33.608,9.317 -31.018,9.317 -29.841,10.494 -29.841,11.33 -29.786,11.386 -29.786,11.533 -29.841,11.588 v1(-29.841,12.625)
  Bottom Layer w0.305: J1.3@-34.384,6.02 -34.384,7.804 -34.141,8.047 R5.1@-34.141,8.707
DVP_VSYNC: J1.7 U1.D1 | length 8.3
  Top Layer w0.152: v1(-28.477,11.4) -28.477,12.571 -28.452,12.596 -28.475,12.619 U1.D1@-28.469,12.625
  Bottom Layer w0.152: J1.7@-32.312,6.091 J1.7@-32.384,6.02 -32.384,6.857 -28.477,10.764 v1(-28.477,11.4)